# Altium PCB Mynd_Main.PcbDoc (part 1 of 5) (continued)
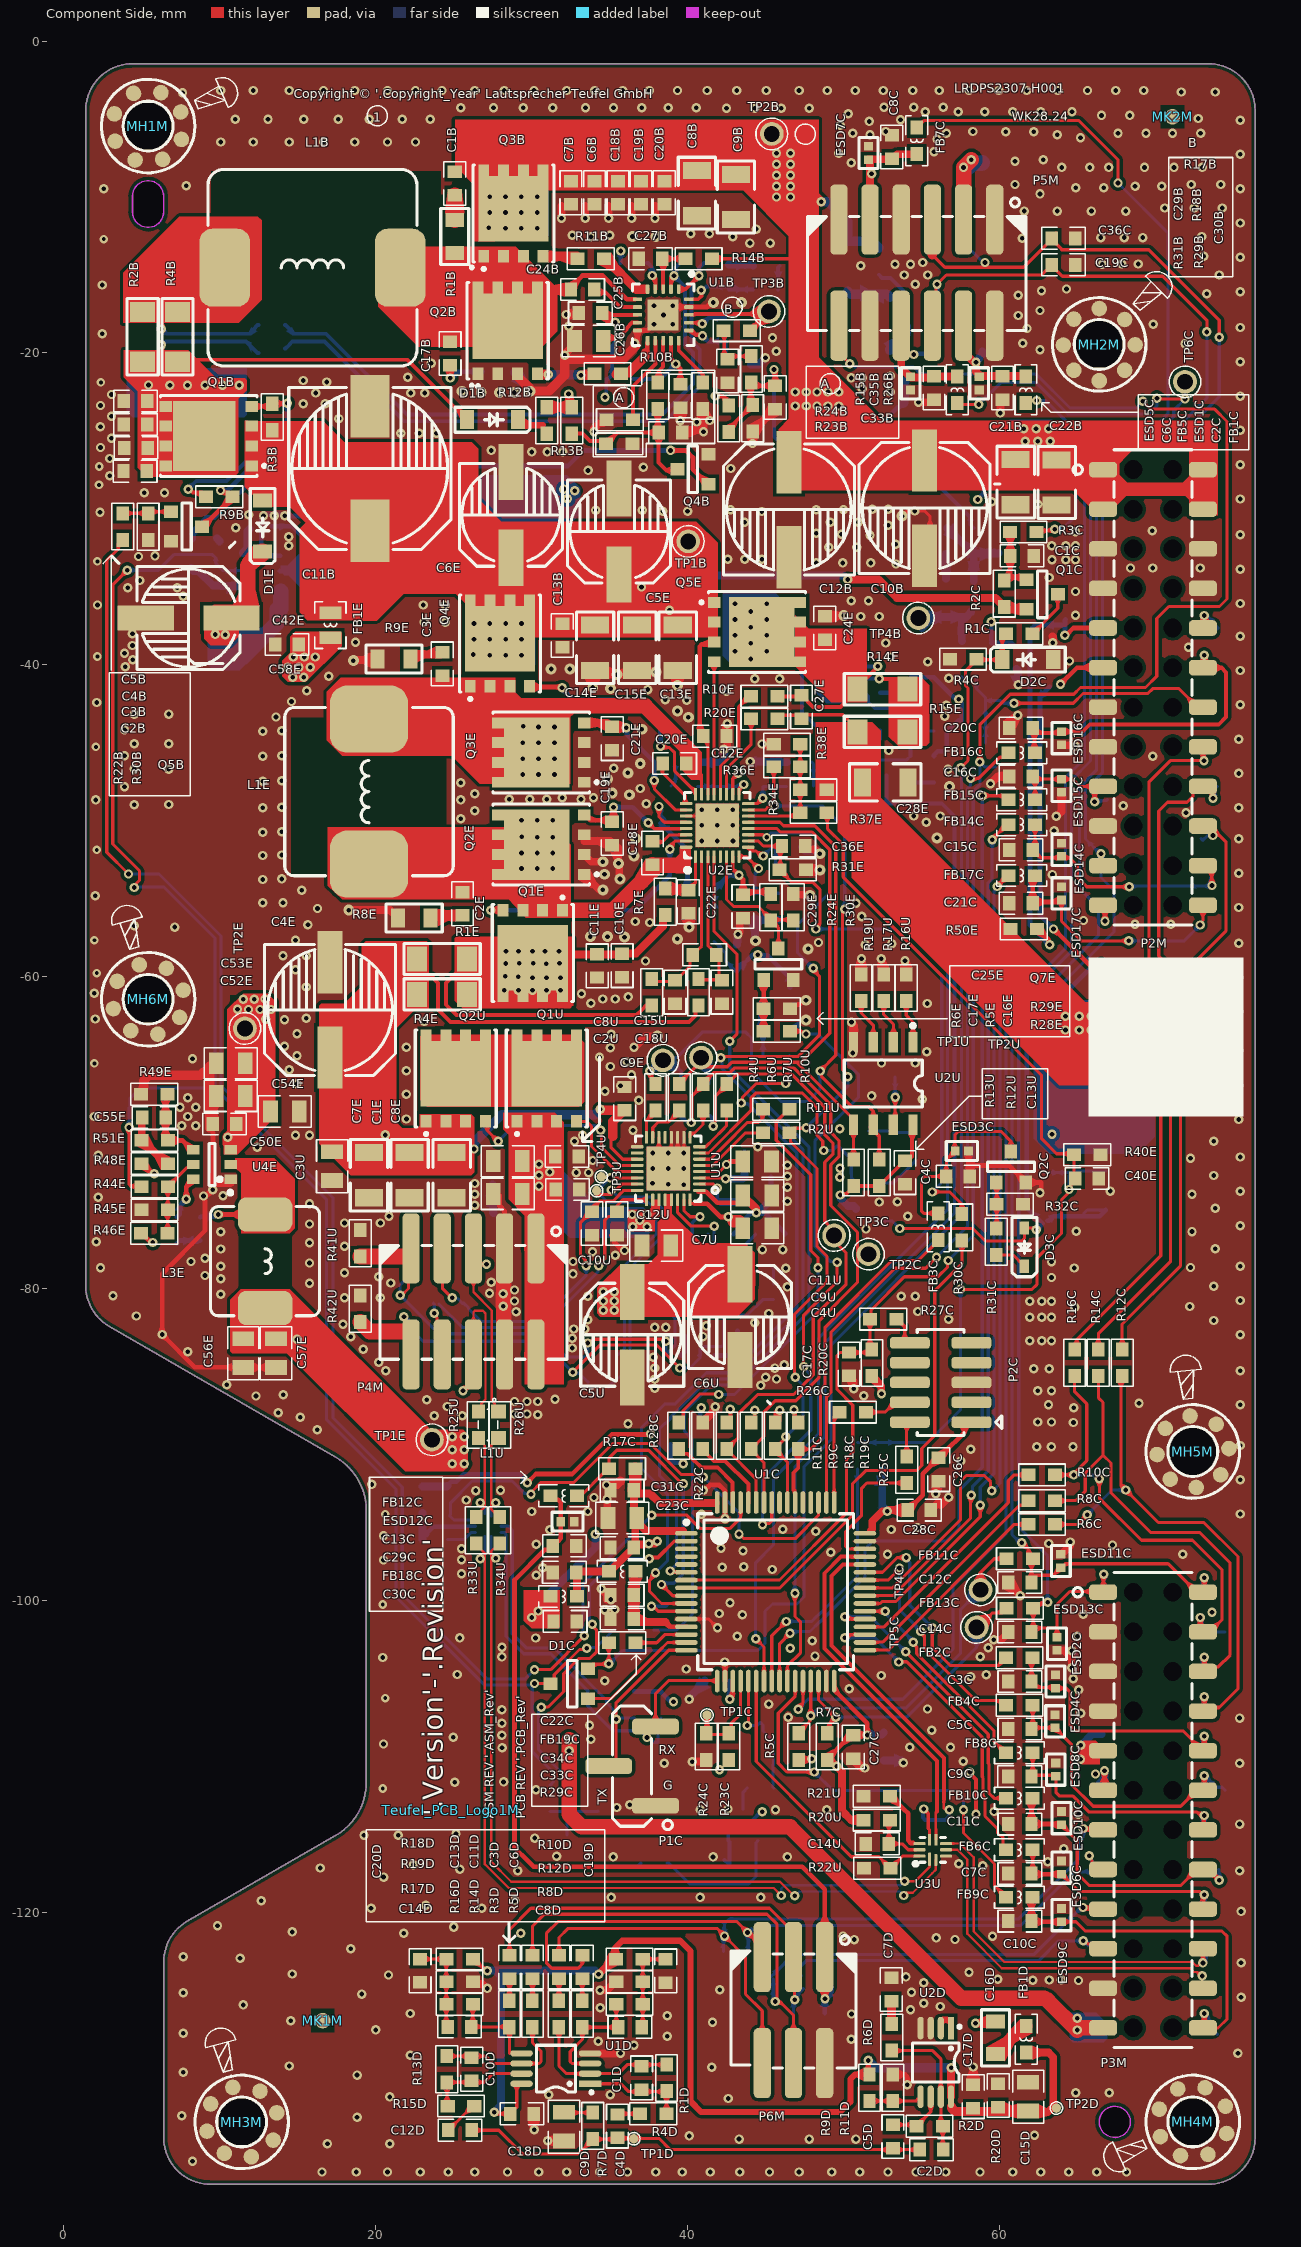
[diagram p0: Component Side view]
## Components (designator, comment, footprint, x,y, rotation, side; value= is the part's Value field where it differs from the comment)
C1B "2.2nF" C0603X100 25.067,-9.132 r270 top
C1C "100nF" C0603X100 61.442,-33.007 r0 top
C1D "47pF" C0603X80 37.05,-130.63 r90 top
C1E "22uF" C1206 22.167,-72.732 r270 top
C1U "4.7uF" C0805_145 28.417,-73.332 r180 bottom
C2B "1nF" C0603X100 4.567,-27.582 r0 top
C2C "33pF" C0603X80 60.2,-22.25 r270 top
C2D "4.7uF" C0603X100 55.642,-135.232 r180 top
C2E "NC" C0603X80 25.567,-55.332 r90 top
C2U "1uF" C0805_145 28.467,-73.932 r180 top
C3B "10nF" C0603X100 4.612,-26.082 r0 top
C3C "33pF" C0603X80 61.311,-105.204 r180 top
C3D "100nF" C0603X100 31.75,-123.53 r90 top
C3E "NC" C0603X80 24.267,-39.932 r270 top
C3U "1uF" C0805_145 17.2,-72.15 r270 top
C4B "100nF" C0603X100 4.597,-24.582 r180 top
C4C "33pF" C0603X80 57.342,-72.807 r0 top
C4D "470nF" C0603X100 35.5,-133.73 r90 top
C4E "220uF" ECAP_SMD_800X1000 17.067,-62.132 r90 top
C4U "10uF" C0805_145 44.467,-76.132 r180 top
C5B "100nF" C0603X100 4.592,-23.082 r180 top
C5C "33pF" C0603X80 61.311,-108.252 r180 top
C5D "150nF" C0603X100 53.167,-134.382 r270 top
C5E "47uF" ECAP_SMD_630X540 35.6,-31.45 r90 top
C5U "100uF" ECAP_SMD_630X540 36.451,-82.965 r270 top
C6B "100nF" C0603X100 34.033,-9.732 r90 top
C6C "33pF" C0603X80 55.8,-22.25 r270 top
C6D "100nF" C0603X100 33.25,-123.53 r90 top
C6E "47uF" ECAP_SMD_630X540 28.667,-30.382 r90 top
C6U "100uF" ECAP_SMD_630X540 43.367,-81.832 r270 top
C7B "100nF" C0603X100 32.517,-9.732 r90 top
C7C "33pF" C0603X80 61.311,-117.523 r180 top
C7D "10nF" C0603X100 53.067,-124.962 r90 top
C7E "22uF" C1206 19.567,-72.732 r90 top
C7U "10uF" C0805_145 38,-77.25 r0 top
C8B "10uF" C1206 40.6,-9.75 r90 top
C8C "33pF" C0603X80 53.1,-6.8 r90 top
C8D "47pF" C0603X80 36.3,-127.38 r180 top
C8E "22uF" C1206 24.867,-72.732 r90 top
C8U "2.2uF" C0805_145 28.467,-71.832 r180 top
C9B "10uF" C1206 43.1,-10 r90 top
C9C "33pF" C0603X80 61.311,-111.3 r180 top
C9D "10uF" C0805_145 32.075,-133.755 r270 top
C9E "100nF" C0603X100 35.967,-67.832 r90 top
C9U "10uF" C0805_145 44.467,-74.032 r180 top
C10B "220uF" ECAP_SMD_800X1000 55.2,-29.95 r270 top
C10C "33pF" C0603X80 61.311,-120.571 r180 top
C10D "47pF" C0603X80 26.15,-130.08 r90 top
C10E "10nF" C0603X100 35.8,-59.3 r90 top
C10U "330pF" C0603X80 33.867,-75.832 r270 top
C11B "330uF" E_CAP_SMD_10%2A10.2 19.617,-27.407 r90 top
C11C "33pF" C0603X80 61.311,-114.348 r180 top
C11D "100nF" C0603X100 30.05,-123.53 r90 top
C11E "1nF" C0603X100 34.2,-59.3 r270 top
C11U "10uF" C0805_145 44.462,-71.858 r180 top
C12B "220uF" ECAP_SMD_800X1000 46.5,-30.05 r270 top
C12C "33pF" C0603X80 61.311,-98.854 r180 top
C12D "470nF" C0603X100 25.417,-133.982 r180 top
C12E "100nF" C0603X100 41.75,-44.575 r180 top
C12U "330pF" C0603X80 35.467,-75.832 r270 top
C13B "100nF" C0603X100 31.967,-38.132 r90 top
C13C "33pF" C0603X80 32.1,-96.5 r0 top
C13D "100nF" C0603X100 28.575,-123.53 r90 top
C13E "22uF" C1206 39.367,-38.907 r90 top
C13U "100nF" C0603X100 53.945,-72.565 r270 top
C14B "22uF" C1206 9.95,-24.95 r90 bottom
C14C "33pF" C0603X80 61.311,-102.029 r180 top
C14D "47pF" C0603X80 25.375,-127.355 r0 top
C14E "22uF" C1206 34.067,-38.907 r90 top
C14U "100nF" C0603X100 52.167,-115.618 r180 top
C15B "22uF" C1206 7.65,-24.95 r90 bottom
C15C "33pF" C0603X80 61.389,-51.864 r180 top
C15D "10uF" C0805_145 61.842,-131.832 r270 top
C15E "22uF" C1206 36.767,-38.907 r90 top
C15U "100nF" C0603X105 32.267,-71.532 r0 top
C16B "22uF" C1206 5.25,-24.95 r90 bottom
C16C "33pF" C0603X80 61.389,-47.15 r180 top
C16D "100nF" C0603X100 59.917,-131.757 r90 top
C16E "33nF" C0603X100 42.2,-61 r90 top
C16U "330pF" C0603X80 25.6,-80.2 r90 bottom
C17B "470pF" C0603X80 24.767,-20.032 r270 top
C17C "100nF" C0603X100 50.35,-84.85 r270 top
C17D "100nF" C0603X100 58.317,-131.837 r90 top
C17E "33nF" C0603X100 39.2,-61 r90 top
C17U "330pF" C0603X80 23.7,-80.2 r90 bottom
C18B "100nF" C0603X100 35.533,-9.732 r90 top
C18C "470pF" C0603X80 48.792,-127.207 r270 bottom
C18D "100nF" C0603X100 29.375,-132.93 r0 top
C18E "47nF" C0603X100 37.75,-52.075 r90 top
C18U "100nF" C0603X105 32.3,-73.65 r0 top
C19B "100nF" C0603X100 37.008,-9.732 r90 top
C19C "22pF" C0603X80 64.1,-14.35 r0 top
C19D "4.7uF" C0603X105 38.592,-123.757 r270 top
C19E "150pF" C0603X80 35.167,-50.832 r90 top
C19U "100nF" C0603X100 23,-96.85 r270 bottom
C20B "100nF" C0603X100 38.508,-9.732 r90 top
C20C "33pF" C0603X80 61.389,-44.05 r180 top
C20D "4.7uF" C0603X105 22.842,-123.752 r270 top
C20E "47nF" C0603X100 39.167,-46.332 r0 top
C21B "10uF" C1206 61.042,-28.282 r90 top
C21C "33pF" C0603X80 61.389,-55.293 r180 top
C21D "470pF" C0603X80 41.867,-123.432 r270 bottom
C21E "150pF" C0603X80 35.167,-44.732 r270 top
C22B "10uF" C1206 63.667,-28.307 r90 top
C22C "100nF" C0603X100 35.811,-96.622 r180 top
C22D "470pF" C0603X80 43.567,-123.432 r270 bottom
C22E "470nF" C0603X100 40.05,-55.2 r90 top
C23B "100pF" C0603X80 40.258,-14.232 r180 bottom
C23C "10uF" C0805_145 35.811,-94.717 r180 top
C23D "470pF" C0603X80 45.267,-123.432 r90 bottom
C23E "1uF" C0805_145 18.667,-66.432 r0 bottom
C24B "100nF" C0603X100 33.267,-15.932 r0 top
C24C "100nF" C0603X100 41.9,-105.15 r180 bottom
C24D "470pF" C0603X80 46.792,-127.232 r270 bottom
C24E "100nF" C0603X100 48.8,-37.65 r90 top
C25B "1uF" C0603X105 33.767,-17.432 r180 top
C25C "10uF" C0805_145 52.575,-109.375 r270 bottom
C25E "NC" C0603X100 41.1,-58.6 r180 top
C26B "4.7uF" C0805_145 33.667,-19.232 r180 top
C26C "100nF" C0603X100 56.104,-91.615 r270 top
C26E "100nF" C0603X100 54.3,-40.1 r270 bottom
C27B "100nF" C0603X100 37.633,-13.957 r180 top
C27C "100nF" C0603X100 50.625,-109.4 r270 top
C27E "100nF" C0603X100 47.3,-42.7 r270 top
C28B "470pF" C0603X80 43.153,-19.257 r0 bottom
C28C "100nF" C0603X100 54.85,-94.212 r0 top
C28E "22uF" C1206 52.675,-47.546 r0 top
C29B "6.8nF" C0603X100 42.567,-21.152 r270 top
C29C "100nF" C0603X100 32.1,-98.2 r180 top
C29E "1uF" C0603X105 43.55,-55.5 r270 top
C30B "10nF" C0603X100 45.617,-22.857 r270 top
C30C "100nF" C0603X100 32.145,-101.35 r0 top
C30E "2.2uF" C0603X105 39.242,-49.882 r0 bottom
C31B "6.8nF" C0603X100 45.008,-15.932 r180 bottom
C31C "100nF" C0603X100 35.811,-92.939 r180 top
C31E "470nF" C0603X100 51.9,-48.8 r0 bottom
C32B "47pF" C0603X80 42.658,-15.132 r90 bottom
C32C "10uF" C0805_145 41.463,-107.109 r180 bottom
C32E "100pF" C0603X80 54.3,-43.3 r270 bottom
C33B "100pF" C0603X80 38.892,-25.107 r0 top
C33C "100nF" C0603X100 35.811,-101.194 r180 top
C33E "33pF" C0603X80 44.85,-47 r270 bottom
C34B "100nF" C0603X100 61,-39.56 r90 bottom
C34C "1uF" C0603X105 35.811,-99.67 r180 top
C34E "15pF" C0603X80 42.15,-47 r270 bottom
C35B "6.8nF" C0603X100 39.533,-22.757 r270 top
C35C "10uF" C0805_145 53.367,-93.357 r180 bottom
C35E "1.8nF" C0603X100 47.175,-46.25 r0 bottom
C36B "330nF" C0603X105 43.067,-17.732 r0 bottom
C36C "22pF" C0603X80 64.1,-12.65 r0 top
C36E "100pF" C0603X80 46.8,-51.625 r0 top
C37B "1uF" C0603X105 59.951,-32.065 r270 bottom
C37C "1nF" C0603X100 44.653,-108.991 r180 bottom
C37E "100pF" C0603X80 44.325,-55.5 r270 bottom
C38E "100pF" C0603X80 46.625,-51.7 r0 bottom
C39E "1.2nF" C0402 39.75,-46.25 r0 bottom
C40E "100nF" C0603X100 65.629,-72.946 r180 top
C41E "100nF" C0603X100 12.667,-31.4 r0 bottom
C42E "47uF" ECAP_SMD_630X540 8,-37 r180 top
C43E "10uF" C1206 8.767,-39.432 r180 bottom
C44E "100nF" C0603X100 12.942,-36.432 r180 bottom
C45E "22uF" C0805_145 20.167,-28.732 r180 bottom
C46E "22uF" C0805_145 20.167,-30.432 r180 bottom
C49E "1uF" C0603X105 49,-43.1 r270 bottom
C50E "100nF" C0603X100 10.3,-69.45 r180 top
C51E "100nF" C0603X100 8.751,-76.165 r270 bottom
C52E "2.2uF" C0805_145 10.7,-67.65 r180 top
C53E "2.2uF" C0805_145 10.7,-65.55 r180 top
C54E "2.2uF" C0805_145 14.175,-68.65 r0 top
C55E "NC" C0603X80 5.767,-69.032 r0 top
C56E "22uF" C0805_145 11.5,-84.15 r270 top
C57E "22uF" C0805_145 13.6,-84.15 r270 top
C58E "1nF" C0603X105 14.31,-38.7 r180 top
D1B "B5819W" SOD-123 27.492,-24.282 r180 top
D1C "BAT54C" SOT23-123 32.6,-105.35 r90 top
D1E "B5819W" SOD-123 12.751,-31.1 r90 top
D1U "BAT54WS" SOD-323 52.6,-74.45 r270 bottom
D2B "BAT54WS" SOD-323 56.579,-35.707 r270 bottom
D2C "BZT52C3V3" SOD-123 61.819,-39.672 r0 top
D3C "BAT54WS" SOD-323 61.6,-77.35 r90 top
D4C "BAT54WS" SOD-323 36.6,-101.9 r0 bottom
ESD1C "BDFN2C121V" DFN2_100X60X50_65 58.7,-21.95 r270 top
ESD2C "AU3321P1" DFN2_100X60X50_65 63.592,-105.207 r270 top
ESD3C "AU3321P1" DFN2_100X60X50_65 57.592,-71.182 r180 top
ESD4C "AU3321P1" DFN2_100X60X50_65 63.567,-107.757 r270 top
ESD5C "AU3321P1" DFN2_100X60X50_65 54.3,-21.95 r90 top
ESD6C "AU3321P1" DFN2_100X60X50_65 63.978,-117.142 r270 top
ESD7C "AU3321P1" DFN2_100X60X50_65 51.6,-7.175 r270 top
ESD8C "AU3321P1" DFN2_100X60X50_65 63.617,-110.857 r270 top
ESD9C "AU3321P1" DFN2_100X60X50_65 63.978,-120.19 r270 top
ESD10C "AU3321P1" DFN2_100X60X50_65 63.978,-113.967 r270 top
ESD11C "AU3321P1" DFN2_100X60X50_65 63.942,-97.482 r270 top
ESD12C "AU3321P1" DFN2_100X60X50_65 32.3,-94.95 r180 top
ESD13C "AU3321P1" DFN2_100X60X50_65 63.692,-102.782 r90 top
ESD14C "AU3321P1" DFN2_100X60X50_65 63.978,-51.864 r270 top
ESD15C "AU3321P1" DFN2_100X60X50_65 63.978,-47.756 r90 top
ESD16C "AU3321P1" DFN2_100X60X50_65 63.978,-44.706 r90 top
ESD17C "AU3321P1" DFN2_100X60X50_65 63.978,-54.658 r270 top
ESD18C "AU3321P1" DFN2_100X60X50_65 45.085,-107.823 r180 bottom
FB1C "600R" L0603 61.7,-22.35 r90 top
FB1D "600R" L0603 61.717,-128.157 r270 top
FB1E "120R" L0805 17.094,-37.452 r270 top
FB2C "33R" R0603 61.284,-103.68 r0 top
FB3C "600R" L0603 56.067,-76.032 r90 top
FB4C "33R" R0603 61.284,-106.728 r0 top
FB5C "600R" L0603 57.3,-22.35 r90 top
FB6C "600R" L0603 61.284,-115.999 r0 top
FB7C "600R" L0603 54.7,-6.4 r270 top
FB8C "600R" L0603 61.284,-109.776 r0 top
FB9C "600R" L0603 61.284,-119.047 r0 top
FB10C "600R" L0603 61.284,-112.697 r0 top
FB11C "33R" R0603 61.311,-97.33 r0 top
FB12C "600R" L0603 32.05,-93.3 r180 top
FB13C "33R" R0603 61.311,-100.505 r0 top
FB14C "600R" L0603 61.438,-50.25 r0 top
FB15C "600R" L0603 61.438,-48.65 r0 top
FB16C "600R" L0603 61.438,-45.65 r0 top
FB17C "600R" L0603 61.438,-53.515 r0 top
FB18C "600R" L0603 32.05,-99.75 r0 top
FB19C "600R" L0603 35.811,-98.146 r180 top
L1B "4.7uH" IND_SMD_YT_SQU_L135XW126XH57 15.942,-14.532 r0 top
L1E "2.2uH" IND_SMD_YT_SQU_L118XW108XH40_A 19.567,-48.132 r90 top
L1U "NC" CET2012D 27.2,-88.75 r270 top value=90R
L2E "3.3uH" IND_SMD_SQU_L60XW60XH20 18.142,-34.632 r0 bottom
L3E "10uH" IND_SMD_YT_SQU_L78XW70XH30 12.9,-78.25 r270 top
MH1M "SCREW_HOLE_D30" SCREW_D30 5.4,-5.45 r339 top
MH2M "SCREW_HOLE_D30" SCREW_D30 66.4,-19.45 r0 top locked
MH3M "SCREW_HOLE_D30" SCREW_D30 11.4,-133.45 r60 top
MH4M "SCREW_HOLE_D30" SCREW_D30 72.4,-133.45 r160 top
MH5M "SCREW_HOLE_D30" SCREW_D30 72.4,-90.45 r50 top
MH6M "SCREW_HOLE_D30" SCREW_D30 5.4,-61.45 r60 top
MK1M "MARK" MARK 16.6,-126.95 r90 top
MK2M "MARK" MARK 71.1,-4.85 r90 top
P1C "3P PITCH=2.54mm" Pin_Header_SMD_S_T_254_3P 36.442,-110.632 r90 top value="3P PITCH=2.54mm"
P1M "WT250MW-084R-0W" CON_250_SMD_H_8P 71.572,-73.72 r90 bottom locked
P2C "1.27PH 2X5P H2.0 SMT" Pin_Header_2x5_127 56.231,-86.027 r180 top
P2M "2.54FH 2x12Pin H3.55 SMT" Female_SMD_Bottom_2X12_254 69.85,-41.45 r270 top locked
P3M "2.54FH 2x12Pin H3.55 SMT" Female_SMD_Bottom_2X12_254 69.85,-113.45 r270 top locked
P4M "WB200AL-10" WB200AL_2x5P 26.267,-80.832 r180 top locked
P5M "WB200AL-12" WB200AL_2x6P 54.7,-14.85 r180 top locked
P6M "WB200AL-06" WB200AL_2x3P 46.792,-126.282 r180 top
Q1B "JMTG080P03A" DFN8_500X600X100_127_A#1 9.292,-25.332 r180 top
Q1C "CJ3401" SOT23-GSD 62.742,-35.482 r270 top
Q1E "AP4024GEMT-HF" DFN8_500X600X100_127_A#2 30.072,-58.482 r270 top
Q1U "AP4024GEMT-HF" DFN8_500X600X100_127_A#2 30.967,-66.532 r90 top
Q2B "JMTG60N04B" DFN8_500X600X100_127_A#2 28.462,-18.582 r90 top
Q2C "2N7002K" SOT23-GSD 60.737,-72.2 r0 top
Q2E "AP4024GEMT-HF" DFN8_500X600X100_127_A#2 30.617,-51.532 r180 top
Q2U "AP4024GEMT-HF" DFN8_500X600X100_127_A#2 25.132,-66.532 r90 top
Q3B "JMTG60N04B" DFN8_500X600X100_127_A#2 28.833,-11.057 r90 top
Q3C "CJ3401" SOT23-GSD 43.561,-114.411 r180 bottom
Q3E "AP4024GEMT-HF" DFN8_500X600X100_127_A#2 30.617,-45.627 r180 top
Q3U "2N7002K" SOT23-GSD 50.6,-70.85 r270 bottom
Q4B "2N7002K" SOT23-GSD 40.342,-27.457 r90 top
Q4C "2N7002K" SOT23-GSD 33.223,-116.053 r0 bottom
Q4E "AP4024GEMT-HF" DFN8_500X600X100_127_A#2 27.967,-38.632 r90 top
Q4U "CJ3401" SOT23-GSD 45.3,-77.5 r0 bottom
Q5B "2N7002K" SOT23-GSD 7.867,-31.132 r270 top
Q5E "SSC8039GN6" DFN8_500X600X100_127_A#2 44.45,-37.9 r0 top
Q5U "CJ3401" SOT23-GSD 42,-77.5 r0 bottom
Q6B "2N7002K" SOT23-GSD 52.967,-17.432 r180 bottom
Q6E "2N7002K" SOT23-GSD 45.625,-60.7 r90 bottom
Q6U "AO3402" SOT23_16_GSD 43.2,-81.4 r0 bottom
Q7B "2N7002K" SOT23-GSD 52.967,-20.832 r180 bottom
Q7E "2N7002K" SOT23-GSD 45.825,-59.2 r0 top
Q7U "AO3402" SOT23_16_GSD 40,-81.4 r0 bottom
R1B "2.0R" R0805 25.067,-12.532 r90 top
R1C "10k" R0603 61.267,-38.007 r0 top
R1D "10k" R0603 38.65,-130.63 r270 top
R1E "0.02R" R1206 24.251,-58.865 r0 top
R1U "3.3R" R0603 28.4,-75.15 r180 bottom
R2B "0.005R" R1206 5.051,-18.965 r90 top
R2C "330k" R0603 60.317,-35.432 r270 top
R2D "680k" R0603 55.517,-133.732 r0 top
R2E "3.9R" R0805 17.667,-69.632 r90 bottom
R2U "0R" R0603 45.69,-70.025 r180 top
R3B "470k" R0603 13.367,-24.107 r90 top
R3C "1k" R0603 61.542,-31.481 r0 top
R3D "10k" R0603 31.75,-126.53 r270 top
R3E "3.9R" R0805 19.667,-69.632 r90 bottom
R3U "0R" R0603 41.3,-74.45 r180 bottom
R4B "0.005R" R1206 7.292,-18.965 r90 top
R4C "8.2k" R0603 57.667,-39.632 r0 top
R4D "15R" R0603 37.8,-132.93 r0 top
R4E "0.02R" R1206 24.251,-61.132 r0 top
R4U "0R" R0603 37.943,-67.739 r270 top
R5B "0R" R0603 13.325,-19.716 r0 bottom
R5C "1.2k" R0603 47.125,-109.375 r90 top
R5D "10k" R0603 33.25,-126.53 r270 top
R5E "5.1R" R0603 40.7,-61 r90 top
R5U "13k" R0603 44.4,-74.45 r180 bottom
R6B "0R" R0603 13.325,-18.215 r0 bottom
R6C "NC" R0603 62.728,-95.131 r0 top
R6D "560R" R0603 53.092,-128.032 r90 top
R6E "5.1R" R0603 37.7,-61 r90 top
R6U "0R" R0603 39.467,-67.739 r270 top
R7B "8.2R" R0805 27.908,-21.207 r180 bottom
R7C "1.2k" R0603 48.95,-109.375 r90 top
R7D "1.5k" R0603 33.925,-133.705 r90 top
R7E "1R" R0603 38.575,-55.2 r90 top
R7U "0R" R0603 40.991,-67.739 r270 top
R8B "330k" R0603 58.4,-43.6 r0 bottom
R8C "NC" R0603 62.728,-93.607 r0 top
R8D "10k" R0603 36.275,-125.905 r180 top
R8E "NC" R0805 22.467,-56.232 r180 top
R8U "10k" R0603 54.5,-70.85 r90 bottom
R9B "22k" R0603 9.967,-29.232 r0 top
R9C "NC" R0603 44.075,-89.45 r270 top
R9D "100k" R0603 51.667,-131.257 r270 top
R9E "NC" R0805 21.167,-39.632 r180 top
R9U "13k" R0603 44.4,-72.85 r180 bottom
R10B "0R" R0603 34.867,-21.332 r180 top
R10C "NC" R0603 62.728,-91.956 r0 top
R10D "33k" R0603 36.273,-123.014 r0 top
R10E "10R" R0603 44.925,-42.025 r0 top
R10U "0R" R0603 42.515,-67.739 r270 top
R11B "0R" R0603 33.792,-13.957 r180 top
R11C "NC" R0603 42.525,-89.45 r270 top
R11D "100k" R0603 53.167,-131.257 r270 top
R11E "10R" R0603 48.2,-39 r180 bottom
R11U "0R" R0603 45.69,-68.5 r0 top
R12B "3.3R" R0603 30.967,-24.332 r270 top
R12C "0R" R0603 67.869,-84.765 r90 top
R12D "33k" R0603 36.275,-124.455 r180 top
R12E "68k" R0603 55.8,-46.7 r90 bottom
R12U "2.2k" R0603 52.294,-72.565 r270 top
R13B "39k" R0603 32.567,-24.332 r270 top
R13C "10k" R0603 40.7,-89.1 r270 bottom
R13D "10k" R0603 24.55,-130.08 r270 top
R13E "10k" R0603 51.9,-47.1 r180 bottom
R13U "2.2k" R0603 50.643,-72.565 r270 top
R14B "0R" R0603 40.708,-13.957 r180 top
R14C "0R" R0603 66.345,-84.765 r90 top
R14D "10k" R0603 30.05,-126.53 r270 top
R14E "0.005R" R1206 52.5,-41.565 r180 top
R14U "0R" R0603 44.4,-71.35 r0 bottom
R15B "1k" R0603 38.083,-22.757 r90 top
R15C "10k" R0603 38.9,-89.15 r90 bottom
R15D "15R" R0603 25.467,-132.432 r180 top
R15E "0.005R" R1206 52.5,-44.3 r0 top
R15U "4.7M" R0603 53,-70.85 r270 bottom
R16B "82k" R0603 43.208,-20.757 r0 bottom
R16C "0R" R0603 64.821,-84.765 r90 top
R16D "10k" R0603 28.575,-126.53 r270 top
R16E "100k" R0603 43.175,-58.8 r90 bottom
R16U "10k" R0603 54.025,-60.725 r90 top
R17B "54.9k" R0603 43.151,-18.565 r0 top
R17C "10k" R0603 35.8,-91.55 r180 top
R17D "10k" R0603 25.375,-125.905 r0 top
R17E "120k" R0603 41.7,-56.9 r90 bottom
R17U "10k" R0603 52.575,-60.725 r90 top
R18B "13.3k" R0603 44.092,-21.032 r90 top
R18C "10k" R0603 45.625,-89.45 r270 top
R18D "33k" R0603 25.375,-123.005 r180 top
R18E "10k" R0603 45.69,-65.072 r180 bottom
R18U "10k" R0603 52.548,-66.469 r0 bottom
R19B "18.2k" R0603 58.351,-32.065 r90 bottom
R19C "470k" R0603 47.1,-89.45 r270 top
R19D "33k" R0603 25.375,-124.455 r180 top
R19E "10R" R0603 40.85,-54.45 r0 bottom
R19U "10k" R0603 51.125,-60.725 r90 top
R20B "100k" R0603 36.558,-14.232 r0 bottom
R20C "10k" R0603 51.825,-84.775 r270 top
R20D "2.2R" R0805 59.742,-128.057 r90 top
R20E "10R" R0603 44.925,-43.475 r180 top
R20U "100R" R0603 52.128,-114.094 r0 top
R21C "20k" R0603 44.679,-112.039 r180 bottom
R21E "10R" R0603 48.2,-40.6 r0 bottom
R21U "10k" R0603 52.128,-112.57 r0 top
R22B "10k" R0603 3.767,-31.132 r90 top
R22C "10k" R0603 40.975,-89.45 r270 top
R22E "1.2k" R0603 54.3,-46.7 r270 bottom
R22U "10k" R0603 52.167,-117.182 r0 top
R23B "33k" R0603 35.617,-25.832 r0 top
R23C "82k" R0603 42.65,-109.375 r90 top
R23E "330k" R0603 45.725,-63.5 r180 bottom
R23U "0R" R0603 39.36,-67.826 r90 bottom
R24B "1k" R0603 35.658,-24.282 r180 top
R24C "68k" R0603 41.2,-109.375 r90 top
R24E "100k" R0603 45.325,-55.55 r270 top
R24U "0R" R0603 41.245,-67.866 r90 bottom
R25B "1k" R0603 35.683,-21.682 r0 bottom
R25C "22R" R0603 54.05,-91.625 r90 top
R25E "16k" R0603 55.8,-43.4 r270 bottom
R25U "0R" R0603 26.565,-88.75 r270 top
R26B "49.9k" R0603 40.983,-22.757 r270 top
R26C "22R" R0603 50.6,-87.925 r0 top
R26E "40.2k" R0603 47.125,-47.75 r180 bottom
R26U "0R" R0603 27.95,-88.75 r270 top
R27B "NC" R0603 58.4,-45.1 r180 bottom
R27C "22R" R0603 52.548,-81.963 r0 top
R27E "10k" R0603 39.775,-47.775 r180 bottom
R27U "2.2k" R0603 50.8,-74.05 r270 bottom
R28B "54.9k" R0603 45.058,-14.407 r180 bottom
R28C "0R" R0603 39.425,-89.45 r90 top
R28E "10k" R0603 45.725,-63.5 r180 top
R28U "100R" R0603 23,-93.55 r270 bottom
R29B "7.5k" R0603 44.167,-24.182 r270 top
R29C "10k" R0603 35.811,-102.718 r180 top
R29E "330k" R0603 45.725,-62.05 r180 top
R29U "10k" R0603 24.6,-93.55 r270 bottom
R30B "330k" R0603 5.4,-31.15 r270 top
R30C "0R" R0603 57.592,-76.082 r270 top
R30E "220k" R0603 46.775,-55.55 r90 top
R30U "10k" R0603 24.6,-96.95 r90 bottom
R31B "82k" R0603 42.642,-24.207 r270 top
R31C "10k" R0603 59.8,-77 r90 top
R31E "30.1k" R0603 46.75,-53.15 r180 top
R32B "330R" R1206 50.267,-14.432 r90 bottom
R32C "4.7M" R0603 60.676,-74.597 r0 top
R32E "137k" R0603 45.85,-55.55 r90 bottom
R33C "10k" R0603 36.4,-106.7 r270 bottom
R33E "NC" R0603 46.5,-53.225 r180 bottom
R33U "0R" R0603 26.45,-95.5 r270 top
R34B "1M" R0603 52.267,-14.132 r90 bottom
R34C "10k" R0603 38.3,-106.7 r270 bottom
R34E "2M" R0603 48.075,-48.025 r180 top
R34U "0R" R0603 27.95,-95.5 r270 top
R35B "10k" R0603 53,-24.75 r180 bottom
R35C "33k" R0603 39.55,-100.3 r180 bottom
R35E "10k" R0603 52.486,-90.726 r270 bottom
R35U "249k" R0402 39.9,-78.6 r180 bottom
R36B "4.7M" R0603 52.967,-23.232 r180 bottom
R36C "1M" R0603 43.536,-116.916 r180 bottom
R36E "2M" R0603 46.375,-46.55 r180 top
R36U "249k" R0402 45.5,-80.2 r270 bottom
R37B "180R" R0603 56.651,-32.065 r270 bottom
R37C "10k" R0603 37.871,-116.84 r0 bottom
R37E "100k" R0603 48.075,-49.475 r180 top